# Altium PCB PCB_CAR.PcbDoc (part 2 of 3)
Units mil, origin at the board's own origin, x right, y up, seen from the top; angles counter-clockwise.
Board outline 3935 x 3900 mil, 4 copper layers (Top Layer, GND, PWR, Bottom Layer), stack 23.756 mil thick; 283 components, 268 nets, 1058 pads, 538 vias.
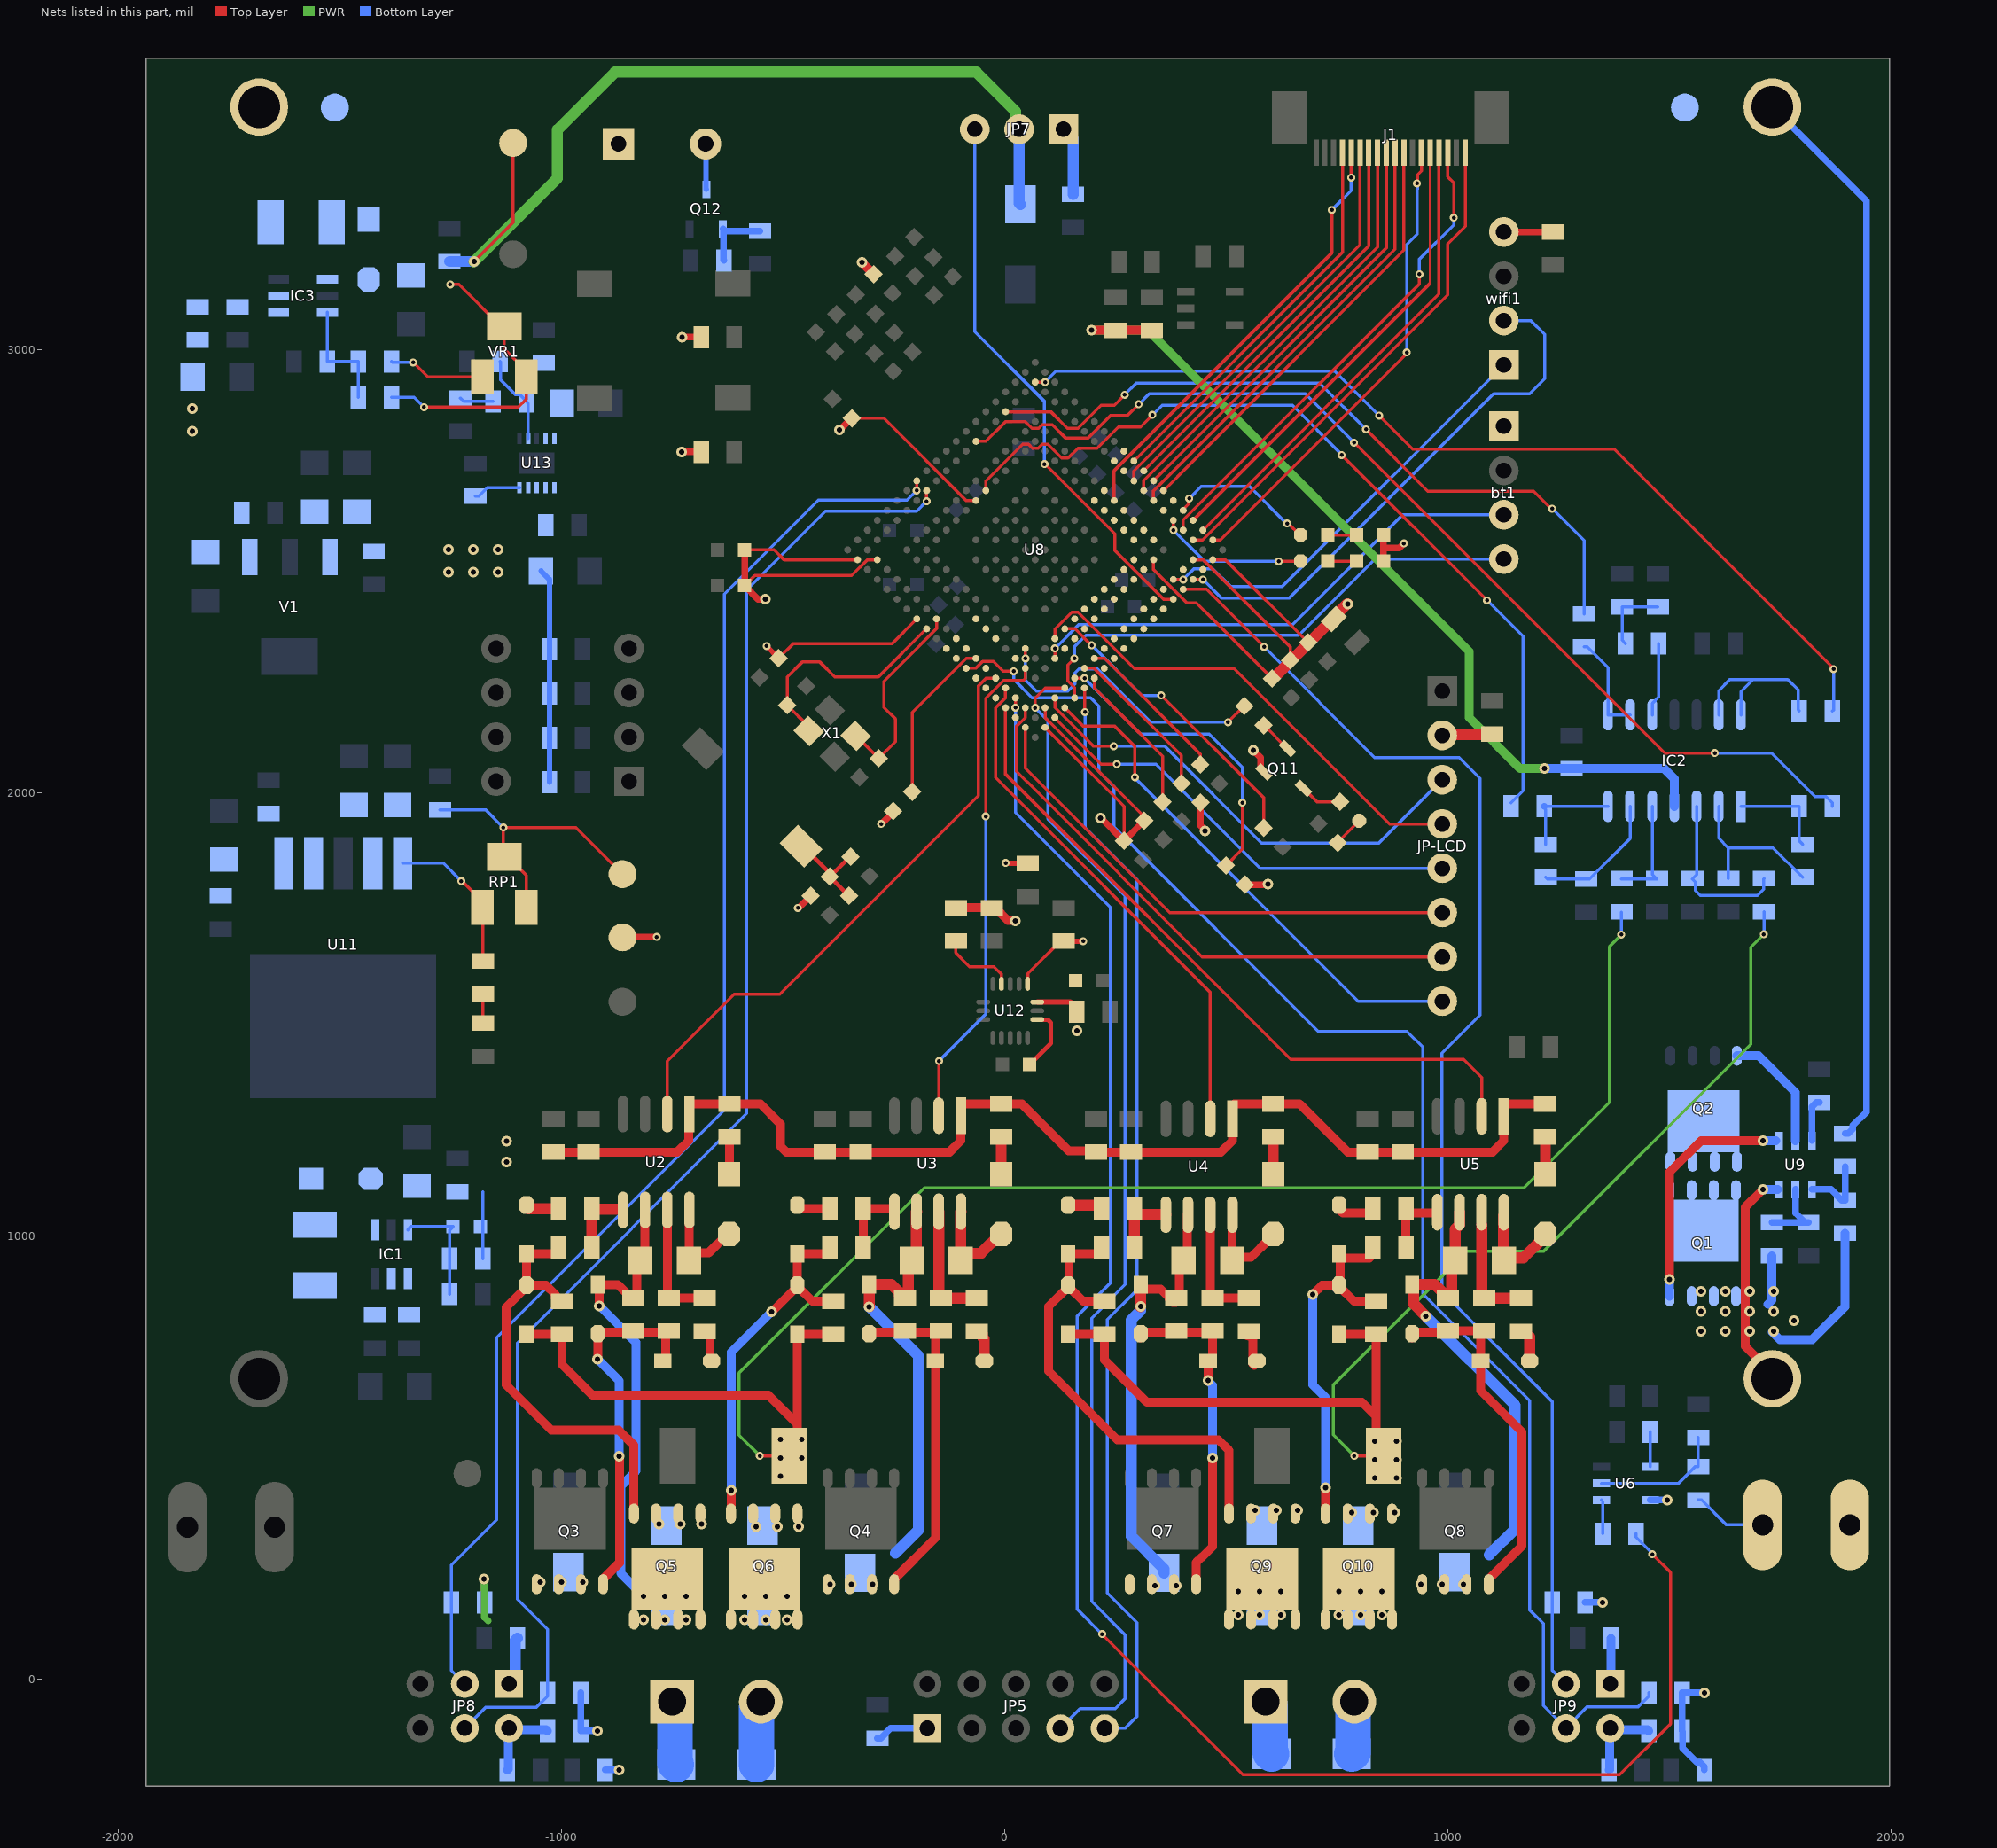
[diagram p4: the nets of this part, all layers, seen from the top]

## Via types
v1: diameter 24, hole 12, Top Layer to Bottom Layer, 381 vias
v2: diameter 18, hole 9, Top Layer to Bottom Layer, 157 vias

## Nets (pads, with @x,y where several pads share a name; then routed paths per layer and width w, separated by ;. In a path a pad name is that pad's centre, name@x,y a point inside that pad or via, vN(x,y) a via of type N, cw(c..) or ccw(c..) an arc to the next point about the centre after c; other vN are vias at no path point) (continued)
3.3V: 3.3V.1 bt1.1 C3V3.2 C4.1 C15.1 C38.2 C39.2 C40.2 C42.1 C45.1 C47.1 C49.1 C53.2 C59.1 C60.2 C61.1 C62.1 C63.1 C64.2 C66.1 C67.1 C77.2 C84.1 C86.2 JP5.1 JP-LCD.2 LB3.2 LB5.2 LS1.1 Q11.2 R4.2 R42.2 R49.2 R52.2 R58.2 R60.2 R61.2 R66.1 R67.1 R68.1 R69.1 R72.1 R73.1 R81.2 R82.2 R83.2 R84.2 R86.2 R87.2 R88.1 U6.5 U8.A2 U8.A19 U8.B3 U8.B18 U8.D5 U8.N20 U8.T11 U8.V19 U8.W20 U12.1 U12.16 U13.1 U13.2 U13.3 U13.4 V1.3 wifi1.4 电机.1 | length 6062.7
  Top Layer w7: C45.1@-587.53,2468 -564.53,2491 -345.75,2491 -310.33,2526.43 U8.V19@-288.05,2526.43 ; C47.1@-587.53,2548.7 -520.77,2548.7 -498.5,2526.43 U8.W20@-332.6,2526.43 ; C49.1@-510.85,2304.09 -478.47,2336.47 -255.3,2336.47 U8.N20@-198.97,2392.8 ; C61.1@-345.44,2845.83 -273.39,2845.83 -87.61,2660.05 U8.T11@-65.34,2660.05 ; U12.1@51.38,1569.34 52.15,1570.11 52.15,1592.66 125.49,1666 C64.2@132.99,1666 ; U8.A19@90.55,2147.82 268.75,1969.62 C59.1@268.75,1892.25 ; U8.B18@90.55,2192.36 90.55,2170.09 112.82,2147.82 164.44,2096.2 314.14,1946.51 C62.1@314.14,1937.33 ; U8.D5@335.54,2526.43 335.54,2504.15 410.66,2429.03 432.18,2429.03 464.72,2396.48 C42.1@602.92,2258.28 ; U8.B3@424.62,2526.43 446.89,2526.43 643.65,2329.66 C60.2@643.65,2299.01 ; U8.A2@469.16,2526.43 497.45,2526.43 C53.2@684.26,2339.62
  Top Layer w12: v2(-537.65,2331.73) -537.65,2331.31 -510.85,2304.51 C49.1@-510.85,2304.09 ; v2(1.56,1841.84) 2.08,1841.32 51.14,1841.32 R87.2@51.66,1840.8 ; U12.16@73.03,1528 147.49,1528 161.99,1513.5 C63.1@161.99,1506 ; C64.2@132.99,1666 133.3,1665.69 176.28,1665.69 v2(176.6,1665.37)
  Top Layer w15: 3.3V.1@-863,1673.98 -862.53,1674.45 -786.51,1674.45 v2(-786.04,1674.92) ; v1(-729.74,2769.87) -686.2,2769.87 R73.1@-685.58,2769.25 ; v1(-729.12,3028.92) R72.1@-685.58,3028.92 ; C47.1@-587.53,2548.7 C45.1@-587.53,2468 -556.87,2437.34 v1@-541.2,2437.34 ; v2(-467.46,1740.59) -466.88,1741.16 -465.07,1741.16 R4.2@-438.44,1767.79 ; v1(-373.44,2819.16) -372.77,2819.16 -346.1,2845.83 C61.1@-345.44,2845.83 ; v2(-279.13,1930.26) -252.36,1957.03 R58.2@-252.36,1959.08 ; v1(215.67,1943.34) 216.66,1943.34 267.76,1892.25 C59.1@268.75,1892.25 268.9,1892.25 313.98,1937.33 C62.1@314.14,1937.33 ; R42.2@441.47,1978.55 441.47,1927.2 451.7,1916.96 v1(451.7,1914.53) ; R52.2@542.08,1793.09 592.51,1793.09 v1(593.66,1794.24) ; v1(560.16,2096.08) 576.84,2079.4 576.84,2056.71 584.5,2049.06 Q11.2@584.5,2047.14 ; R61.2@854.48,2523.37 854.48,2552.84 ; R60.2@854.48,2582.3 854.48,2552.84 ; v2(900.29,2563.32) 889.81,2552.84 854.48,2552.84 ; wifi1.4@1125.92,3266.22 1126.02,3266.31 1236.46,3266.31 C4.1@1236.56,3266.4
  Top Layer w20: R88.1@-111.01,1740.8 R86.2@-29.67,1740.8 -22.17,1740.8 6.54,1712.09 22.51,1712.09 v1(23.28,1711.32)
  Top Layer w25: C42.1@602.92,2258.28 605.26,2258.28 739.66,2392.68 C3V3.2@742.01,2392.68 742.01,2396.01 v1@773,2427 ; JP-LCD.2@987,2130 988.43,2131.43 1098.05,2131.43 C84.1@1099.48,2132.87
  PWR w15: v1(-1175.4,226.03) -1175.4,139.91 -1166.5,131
  Bottom Layer w12: C66.1@-1047.12,2501 -1028.21,2482.09 R68.1@-1028.21,2224.26 R66.1@-1028.21,2024.26
  Bottom Layer w15: v1(-1175.4,226.03) -1175.4,174.18 R81.2@-1174.6,173.38 ; R82.2@-957.43,-31 R82.2@-957.6,-30.82 LB3.2@-957.6,-116.82 v1(-919.3,-116.82) ; C77.2@-902.66,-205.13 v1(-870.85,-205.13) ; R49.2@-288,-133.62 -280.5,-133.62 -257.88,-111 JP5.1@-175,-111 ; R83.2@1309.56,173.38 v1(1348.93,173.38) v1@1349.6,174.05 ; U6.5@1456.21,404.29 v1(1494.45,404.29) ; C86.2@1578.49,-204.49 1578.49,-197.63 1568.49,-187.63 1561.62,-187.63 1529.53,-155.54 1529.53,-118.41 LB5.2@1527.95,-116.82 R84.2@1527.95,-30.82 v1(1578.49,-30.82)
  other v1: 162.75,1463.23 773.38,2426.62 -540.81,2436.96 -1255.95,2498.81 -1200.08,2498.81 -1144.22,2498.81 -1255.95,2549.05 -1200.08,2549.05 -1144.22,2549.05
+5V: 5V.1 C3.2 C10.1 C12.2 C13.2 C14.2 C34.1 C36.2 C37.2 IC2.4 L4.1 LB1.1 LB2.1 RP1.2 RP1.3 U11.4 V1.1 | length 2737.7
  Top Layer w7: RP1.3@-1080.6,1741.41 -1080.6,1814.25 -1121.93,1855.58 RP1.2@-1129.81,1855.58 -1132,1857.78 v2(-1132,1922) -968.05,1922 5V.1@-863,1816.95
  Top Layer w20: v1(-322.62,3197.37) -322.62,3197.11 -296.44,3170.94 LB2.1@-296.44,3170.68 ; v1(195.15,3044.5) C34.1@249.98,3044.5 LB1.1@331.8,3044.5
  PWR w20: v1(195.15,3044.5) 322.5,3044.5 1047.82,2319.18 1047.82,2170.18 1163,2055 v1(1218,2055)
  Bottom Layer w7: C12.2@-1275,1962.2 -1172.2,1962.2 v2(-1132,1922)
  Bottom Layer w20: v1(1218,2055) C3.2@1279,2055 1488,2055 1511,2032 IC2.4@1511,1969.65
  other v1: -1834.13,2816.38 -1834.13,2867.29
+6V: 6-7.4V.1 C5.1 C6.1 C7.1 D1.2 D28.2 JP7.2 VR1.2 VR1.3 | length 2740.7
  Top Layer w7: v2(-1311,2871) -1098.15,2871 -1080.6,2888.55 VR1.3@-1080.6,2939 -1080.6,2952.78 -1129.81,3001.99 VR1.2@-1129.81,3053.17 -1137.68,3053.17 -1232.51,3148 v2(-1252,3148) ; v1(-1198.06,3199.46) -1110,3287.52 6-7.4V.1@-1110,3467
  PWR w25: v1(-1198.06,3199.46) -1010,3387.52 -1010,3497.03 -880.03,3627 -64.47,3627 23.98,3538.55 23.98,3506.02 JP7.2@32,3498
  Bottom Layer w7: C7.1@-1384.6,2893 -1333,2893 v2(-1311,2871)
  Bottom Layer w25: C6.1@-1253.33,3199.57 -1198.18,3199.57 v1(-1198.06,3199.46) ; JP7.2@32,3498 32,3331.55 D28.2@35,3328.55
+15V: C18.2 C19.2 C20.2 C21.2 C24.2 C25.2 C26.2 C27.2 C28.1 C29.1 C30.1 D27.2 R13.1 R14.1 R27.1 R28.1 R43.1 U2.1 U3.1 U4.1 U5.1 | length 2920.3
  Top Layer w20: C18.2@-1019,1189.6 C19.2@-939.61,1189.6 -739.4,1189.6 -713.81,1215.19 -713.81,1273.46 U2.1@-712,1275.27 -712,1296.25 -710.19,1298.06 R13.1@-621.88,1298.06 -551.89,1298.06 -507,1253.18 -507,1203 -493.6,1189.6 C21.2@-407,1189.6 C20.2@-326,1189.6 -124.92,1189.6 -99.33,1215.19 U3.1@-99.33,1271.66 -99.33,1296.25 -97.52,1298.06 38.02,1298.06 143.95,1192.14 203.46,1192.14 C25.2@206,1189.6 C24.2@285,1189.6 487.75,1189.6 513.33,1215.19 U4.1@513.33,1264.66 513.33,1294.19 517.21,1298.06 R27.1@605.37,1298.06 664.94,1298.06 773.4,1189.6 C27.2@819,1189.6 C26.2@897.39,1189.6 1100.53,1189.6 1126,1215.07 U5.1@1126,1270.27 1126,1296.25 1127.81,1298.06 R28.1@1219,1298.06
  Bottom Layer w7: R43.1@-1178.65,949.03 -1178.65,1099.68
  other v1: -1124.43,1167.13 -1124.52,1214.13
ADC_IN1: R62.1 U8.T10 | length 1941.1
  Top Layer w7: U8.T10@-43.07,2682.32 -43.07,2704.07 39.64,2786.78 53.44,2786.78 61.91,2778.3 75.18,2778.3 83.66,2786.78 97.19,2786.78 127.93,2756.03 142.52,2756.03 164.79,2778.31 208.28,2778.31 256.32,2826.35 306.21,2826.35 v2(332.9,2853.03) ; v2(759.69,2762.87) v2(1088,2434.56)
  Bottom Layer w7: v2(332.9,2853.03) 354.87,2875 649,2875 759.69,2764.31 v2(759.69,2762.87) ; v2(1088,2434.56) 1168.96,2353.61 1168.96,2004.46 R62.1@1142,1977.5
ADC_IN2: R74.1 U8.W8 | length 2405.7
  Top Layer w7: U8.W8@-65.34,2793.68 -43.07,2793.68 1.47,2838.22 45.48,2838.22 60.86,2822.85 75.71,2822.85 84.19,2831.32 106.68,2831.32 137.43,2800.58 187.06,2800.58 238.96,2852.47 277.08,2852.47 v2(301.74,2877.13) ; v2(788.11,2790.82) 1488.93,2090 v2(1602,2090)
  Bottom Layer w7: v2(301.74,2877.13) 325.61,2901 677.93,2901 v2(788.11,2790.82) ; v2(1602,2090) 1730.21,2090 1828.71,1991.5 1853.67,1991.5 1867.67,1977.5 R74.1@1867.67,1970
ADC_IN3: R6.1 U8.W5 | length 1675.9
  Top Layer w7: U8.W5@1.47,2860.49 103.55,2860.49 141.2,2822.85 164.79,2822.85 217.27,2875.32 246.79,2875.32 v2@268.55,2897.08 ; v2(814.92,2820.53) 954.46,2681 1193,2681 1195.98,2678.02 1232.35,2641.65 v2(1235.13,2641.65)
  Top Layer w10: v2@268.55,2897.08 v2(270.14,2898.68)
  Bottom Layer w7: v2(270.14,2898.68) 296.47,2925 710.46,2925 v2(814.92,2820.53) ; v2(1235.13,2641.65) 1307,2569.77 R6.1@1307,2404.4
ADC_IN4: R92.1 U8.W2 | length 2187.4
  Top Layer w7: U8.W2@68.28,2927.31 v2(90.55,2927.31) ; v2(844.27,2851.69) 919.97,2776 1375.05,2776 1870.33,2280.72 v2(1870.33,2279.45)
  Bottom Layer w7: v2(90.55,2927.31) 115.03,2951.78 744.19,2951.78 v2(844.27,2851.69) ; R92.1@1867.67,2184.59 1870.33,2187.25 v2(1870.33,2279.45)
ATOM1_CH3_P10_3: JP7.3 U8.A6 | length 1260.1
  Top Layer w7: v2(89.47,2742.05) 91.34,2742.05 248.27,2585.12 248.27,2547.4 358.34,2437.34 U8.A6@380.08,2437.34
  Bottom Layer w7: JP7.3@-68,3498 -68,3041.06 89.47,2883.6 v2(89.47,2742.05)
ATOM1_CH5_P20_9: U3.2 U8.E17 | length 1117
  Top Layer w7: U3.2@-149.33,1271.66 -149.17,1271.82 -149.17,1395.03 v2(-149.02,1395.19) ; v2(-43.08,1947.25) -43.08,2214.1 -2.99,2254.18 41.91,2254.18 46.01,2258.28 U8.E17@46.01,2281.44
  Bottom Layer w7: v2(-149.02,1395.19) -43.08,1501.13 v2(-43.08,1947.25)
ATOM1_CH7_P15_4: JP-LCD.8 U8.A17 | length 1168.1
  Top Layer w7: U8.A17@135.1,2192.36 177.01,2150.45 248.27,2150.45 293.52,2105.2 v2(293.52,2035.8)
  Bottom Layer w7: v2(293.52,2035.8) 293.52,2033.83 797.35,1530 JP-LCD.8@987,1530
ATOM2_CH1_P20_13: U5.2 U8.D20 | length 1595.8
  Top Layer w7: U8.D20@1.47,2192.36 1.47,2066.86 1.47,2042.3 644.76,1399 1035,1399 1076,1358 U5.2@1076,1270.27
ATOM2_CH6_P20_10: U4.2 U8.E19 | length 1182
  Top Layer w7: U8.E19@1.47,2236.9 1.47,2214.63 -20.8,2192.36 -20.8,2034.46 463.33,1550.32 U4.2@463.33,1264.66
ATOM2_CH7_P20_7: U2.2 U8.F19 | length 1364.1
  Top Layer w7: U2.2@-762,1275.27 -762,1395 -611.34,1545.66 -508.12,1545.66 -60.32,1993.47 -60.32,2128.65 -60.32,2241.4 -42.54,2259.17 U8.F19@-20.8,2259.17
BAT_GND: C1.1 C2.1 Q1.1 Q1.2 Q1.3 U9.6 U10.2 | length 983
  Top Layer w20: v1(1710.74,1105.25) 1671,1065.52 1671,830.05 1671,751.22 1732,690.22 U10.2@1732,677.92
  Bottom Layer w20: v1(1710.74,1105.25) U9.6@1743.9,1105.25 ; 1722,846 1731.03,855.03 C1.1@1731.03,955.44 ; v1@1732,783 1749,766 1821.44,766 1896,840.56 C2.1@1896,1006.2
  other v1: 1571.25,784.6 1625.89,784.6 1680.53,784.6 1735.17,784.6 1781,809 1571.25,830.05 1625.89,830.05 1680.53,830.05 1735.17,830.05 1571.25,875.5 1625.89,875.5 1680.53,875.5 1735.17,875.5
GPT12_T2EUDB_P33_6: JP8.4 R82.1 U8.W13 | length 3467.2
  Top Layer w7: v2(-176.7,2658.35) U8.W13@-176.7,2680.62
  Bottom Layer w7: JP8.4@-1219,-110.83 -1172.17,-64 -1058.08,-64 -1032.4,-38.32 R82.1@-1032.4,-30.82 -1032.4,112.15 -1100.6,180.35 -1100.6,758.74 -583,1276.34 -583,2458 -405,2636 -199.05,2636 v2(-176.7,2658.35)
GPT12_T2INB_P33_7: JP8.3 R81.1 U8.Y13 | length 3278.8
  Top Layer w7: v2(-199.06,2682.5) -199.02,2682.54 -199.02,2702.85 U8.Y13@-198.97,2702.9
  Bottom Layer w7: JP8.3@-1219,-10.83 -1249.4,19.57 R81.1@-1249.4,173.38 -1249.4,257.6 -1147.17,359.83 -1147.17,770.61 -633,1284.78 -633,2449 -421.13,2660.87 -220.69,2660.87 v2(-199.06,2682.5)
GPT12_T6EUDA_P20_0: JP9.4 R84.1 U8.H20 | length 3444
  Top Layer w7: U8.H20@-87.61,2281.44 -65.87,2281.44 -50.5,2296.82 -26.03,2296.82 -3.72,2274.51 v2(19.65,2274.51)
  Bottom Layer w7: v2(19.65,2274.51) 19.65,2256.36 61.34,2214.67 193.45,2214.67 212.29,2195.83 212.29,2048.16 246.45,2014 246.45,1922.55 707,1462 907.5,1462 943,1426.5 943,869.92 1184.33,628.59 1184.33,155.9 1215,125.23 1215,-59.83 JP9.4@1266,-110.83 1314.61,-62.22 1429.25,-62.22 1453.14,-38.32 R84.1@1453.14,-30.82
GPT12_T6INB_P10_2: JP9.3 R83.1 U8.A5 | length 3041.8
  Top Layer w7: U8.A5@402.35,2459.61 454.84,2459.61 v2(584.79,2329.66)
  Bottom Layer w7: v2(584.79,2329.66) 834.45,2080 1025,2080 1072,2033 1072,1499 986,1413 986,874.92 1234.76,626.17 R83.1@1234.76,173.38 1234.76,20.41 JP9.3@1266,-10.83
HREF: J1.5 U8.D1 | length 1051.6
  Top Layer w7: U8.D1@424.62,2615.51 959.69,3150.58 J1.5@959.69,3445.47
NetC1_2: C1.2 R2.1 U9.5 | length 173.9
  Bottom Layer w15: C1.2@1731.03,1030.25 R2.1@1813.37,1030.25 1805.87,1030.25 1784.04,1052.09 U9.5@1784.04,1105.25
NetC2_2: C2.2 R9.1 U9.4 | length 160.6
  Bottom Layer w15: U9.4@1821.44,1105.25 1864.25,1105.25 1888.5,1081 C2.2@1896,1081 R9.1@1896,1157
NetC7_2: C7.2 IC3.3 R80.2 R85.1 | length 262.1
  Bottom Layer w7: IC3.3@-1528.88,3084.6 -1528.88,2974.71 R85.1@-1529.6,2974 R80.2@-1459.4,2974 C7.2@-1459.4,2893
NetC8_2: C8.2 C9.2 LB4.2 U11.1 U11.2
NetC11_1: C11.1 IC3.4 IC3.5 L1.2 L4.2
NetC16_1: C16.1 D6.1 D11.2 D13.2 DZ1.1 JP3.1 Q3.1 Q3.2 Q3.3 Q5.5 Q5.6 Q5.7 Q5.8 Q5.9 R17.1 U2.6 | length 1213.2
  Top Layer w20: v1(-915.32,841.83) -916.08,842.59 -916.08,887.2 DZ1.1@-919,890.12 -873.25,890.12 -854,870.87 -854,867.9 -846.5,860.4 R17.1@-839,860.4 ; R17.1@-831.06,867.9 -831.06,936.84 C16.1@-823.12,944.79 -812.69,955.21 -812.69,1058.04 U2.6@-812,1058.73
  Bottom Layer w20: v1(-915.32,841.83) -914.94,841.83 -832.76,759.65 -832.76,469.54 -867.16,435.14 -867.16,238.75 v1(-815.67,187.25)
  Bottom Layer w80: JP3.1@-751,-50.83 -744.86,-56.97 -744.86,-189.69 D11.2@-741.55,-193
  other v1: -815.67,133.76 -767.52,133.76 -719.37,133.76 -767.52,187.25 -719.37,187.25 -1048.63,218.67 -1000.48,218.67 -952.33,218.67
NetC16_2: C16.2 D7.2 U2.8 | length 227.5
  Top Layer w20: C16.2@-712.89,944.78 -712.89,948.28 C16.2@-712.44,948.73 ; U2.8@-712,1058.73 -712.44,1058.29 C16.2@-712.44,948.73 ; D7.2@-622.29,1004.37 -626.44,1004.37 -668.99,961.82 -699.35,961.82 C16.2@-712.44,948.73
NetC17_1: C17.1 D5.1 D11.1 D12.2 DZ2.1 JP3.2 Q4.1 Q4.2 Q4.3 Q6.5 Q6.6 Q6.7 Q6.8 Q6.9 R18.1 U3.6 | length 1131
  Top Layer w25: v1(-306.47,840.33) -306.33,840.47 DZ2.1@-306.33,890.12 -255.72,890.12 -238.5,872.9 -238.5,865.4 -233.5,860.4 R18.1@-226,860.4 R18.1@-218.52,867.89 ; R18.1@-226,865.4 R18.1@-226,872.9 ; R18.1@-218.52,865.4 R18.1@-218.52,867.89 ; U3.6@-199.33,1055.13 -200.02,1054.44 -200.02,954.88 C17.1@-210.12,944.79 -218.52,936.39 R18.1@-218.52,867.89
  Bottom Layer w25: v1@-305.82,839.67 -195,728.85 -195,336.87 -247,284.86
  Bottom Layer w80: D11.1@-560.45,-193 -560.45,-65.26 -551,-55.82 JP3.2@-551,-50.83
  other v1: -588.12,133.76 -539.97,133.76 -491.82,133.76 -588.12,187.25 -539.97,187.25 -491.82,187.25 -394.69,214.08 -346.55,214.08 -298.4,214.08
NetC17_2: C17.2 D8.2 U3.8 | length 225.1
  Top Layer w25: C17.2@-99.89,944.78 -99.89,948.28 C17.2@-99.61,948.56 ; U3.8@-99.33,1055.13 -99.61,1054.85 C17.2@-99.61,948.56 ; D8.2@-8.2,1004.37 -10.87,1004.37 -54.41,960.84 -87.33,960.84 C17.2@-99.61,948.56
NetC22_1: C22.1 D17.1 D22.2 D24.2 DZ5.1 JP4.1 Q7.1 Q7.2 Q7.3 Q9.5 Q9.6 Q9.7 Q9.8 Q9.9 R31.1 U4.6 | length 1105.4
  Top Layer w20: DZ5.1@306.33,880.2 351.39,880.2 370.64,860.96 370.64,857.99 378.14,850.49 R31.1@385.64,850.49 ; R31.1@393.58,857.99 393.58,926.93 411.95,945.3 411.95,1048.13 U4.6@412.64,1048.82
  Top Layer w25: DZ5.1@306.33,890.12 306.33,880.2 306.33,840.96 v1(306.49,840.8)
  Bottom Layer w25: v1(306.49,840.8) 306.49,832.06 285.06,810.62 285.06,322.7 359,248.76 D17.1@359,239.9
  Bottom Layer w80: JP4.1@588.55,-50.83 598.14,-60.42 598.14,-165.69 D22.2@601.45,-169
  other v1: 526.48,144.83 574.63,144.83 622.78,144.83 526.48,198.32 574.63,198.32 622.78,198.32 338.75,210.77 386.9,210.77
NetC22_2: C22.2 D18.2 U4.8 | length 227.5
  Top Layer w20: C22.2@511.76,934.87 511.76,938.37 C22.2@512.2,938.81 ; U4.8@512.64,1048.82 512.2,1048.38 C22.2@512.2,938.81 ; D18.2@602.35,994.45 598.2,994.45 555.65,951.9 525.29,951.9 C22.2@512.2,938.81
NetC23_1: C23.1 D16.1 D22.1 D23.2 DZ6.1 JP4.2 Q8.1 Q8.2 Q8.3 Q10.5 Q10.6 Q10.7 Q10.8 Q10.9 R32.1 U5.6 | length 1154
  Top Layer w25: v1(949.53,819.42) 922.25,846.69 922.25,882.93 919,886.18 DZ6.1@919,890.12 970.28,890.12 987.5,872.9 987.5,865.4 992.5,860.4 1002.97,860.4 1007.97,865.4 1007.97,936.88 C23.1@1015.88,944.79 1015.88,1015.46 1026,1025.58 U5.6@1026,1053.73
  Bottom Layer w25: v1(949.53,819.42) 1151.35,617.59 1151.35,338.93 1093.09,280.67
  Bottom Layer w80: D22.1@782.55,-169 785.55,-166 785.55,-53.83 JP4.2@788.55,-50.83
  other v1: 754.03,144.83 802.18,144.83 850.33,144.83 754.03,198.32 802.18,198.32 850.33,198.32 938.53,213.91 986.68,213.91 1034.83,213.91
NetC23_2: C23.2 D19.2 U5.8 | length 225.1
  Top Layer w25: C23.2@1124.76,934.87 1124.76,938.37 C23.2@1125.03,938.65 ; U5.8@1125.31,1045.21 1125.03,1044.94 C23.2@1125.03,938.65 ; D19.2@1216.44,994.45 1213.77,994.45 1170.24,950.92 1137.31,950.92 C23.2@1125.03,938.65
NetC30_2: C30.2 IC1.3 R43.2 R44.1 | length 260.7
  Bottom Layer w7: IC1.3@-1347.22,1014.09 -1347.22,1014.83 -1340.88,1021.17 C30.2@-1245.43,1021.17 -1253.45,1013.15 R43.2@-1253.45,949.03 R44.1@-1253.46,868.97
NetC32_1: C32.1 IC1.4 IC1.5 L2.2 L3.2
NetC41_1: C41.1 U8.M20 X1.1 | length 529.7
  Top Layer w7: X1.1@-442.56,2139.94 -442.56,2149.27 C41.1@-491.36,2198.08 -491.36,2261.64 -457.55,2295.45 -417.62,2295.45 -383.8,2261.64 -285.59,2261.64 U8.M20@-176.7,2370.53
NetC51_1: C51.1 U8.M19 X1.3 | length 462.6
  Top Layer w7: X1.3@-336.77,2128.8 -335.57,2128.8 C51.1@-285.05,2078.28 -247.33,2116 -247.33,2167.27 -273.09,2193.03 -273.09,2251.87 -228.31,2296.64 -154.43,2370.53 U8.M19@-154.43,2392.8
NetC65_2: C65.2 U12.14 | length 147.7
  Top Layer w10: C65.2@55.58,1387 103.51,1434.93 103.51,1481.43 96.51,1488.43 73.23,1488.43 U12.14@73.03,1488.63
NetC68_1: C68.1 L5.1 U13.9 U13.10
NetC69_1: C69.1 R90.1 U13.7 | length 205.9
  Bottom Layer w7: C69.1@-1139.28,2974.03 -1137.76,2972.51 -1137.76,2931.87 -1104.49,2898.6 -1094.6,2898.6 -1080.6,2884.6 R90.1@-1080.6,2884 -1076,2879.4 U13.7@-1076,2800.14
NetC76_2: C76.2 JP8.2 LB3.1 | length 185
  Bottom Layer w20: C76.2@-1122.86,-205.13 -1120.93,-203.2 -1120.93,-112.76 JP8.2@-1119,-110.83 -1116,-113.83 -1035.4,-113.83 LB3.1@-1032.4,-116.82
NetC85_2: C85.2 JP9.2 LB5.1 | length 184.9
  Bottom Layer w20: C85.2@1363.69,-205.13 1364.84,-203.98 1364.84,-111.99 JP9.2@1366,-110.83 1369,-113.83 1450.15,-113.83 LB5.1@1453.14,-116.82
NetC88_2: C88.2 R4.1 R8.1 RES.2 | length 233
  Top Layer w10: RES.2@-465.23,1888.66 -395.18,1818.61 R4.1@-395.18,1811.05 ; C88.2@-352.05,1767.92 R4.1@-395.18,1811.05 ; R8.1@-348.44,1855.97 -350.25,1855.97 R4.1@-395.18,1811.05
NetD1_1: D1.1 IC3.1 L1.1
NetD7_1: D7.1 R13.2 | length 84.1
  Top Layer w20: D7.1@-622.29,1139.37 -622.08,1139.58 -622.08,1223.05 R13.2@-621.88,1223.26
NetD8_1: D8.1 R14.2 | length 83.9
  Top Layer w24: D8.1@-8.2,1139.37 R14.2@-8.22,1223.23
NetD9_1: D9.1 DZ1.2 Q3.4 R11.2 R17.2 | length 821.7
  Top Layer w20: v1(-919.3,721.89) -919.15,722.03 -919.15,779.73 DZ1.2@-919,779.88 -916.14,782.74 -769.95,782.74 -765.31,778.1 -765.31,723.75 -771.06,718 D9.1@-772.12,718 ; Q3.4@-907,214.25 -907,225.54 -870.12,262.43 -870.12,501.91 v1(-870.85,502.64)
  Bottom Layer w20: v1(-919.3,721.89) -870.85,673.44 v1(-870.85,502.64)
NetD9_2: D9.2 R15.2 | length 76.3
  Top Layer w20: R15.2@-678,784.6 -672.77,784.6 -665.27,777.1 -665.27,721.39 D9.2@-661.88,718
NetD10_1: D10.1 DZ2.2 Q4.4 R12.2 R18.2 | length 772.8
  Top Layer w20: DZ2.2@-306.33,779.88 -303.47,782.74 R12.2@-152.14,782.74 ; Q4.4@-250,214.25 -250,225.54 -156.78,318.76 D10.1@-156.78,718 -156.78,778.1 R12.2@-152.14,782.74 ; R12.2@-144.95,785.6 -149.28,785.6 R12.2@-152.14,782.74
NetD10_2: D10.2 R16.2 | length 78.2
  Top Layer w25: R16.2@-63.9,784.6 -56.4,784.6 -51.4,779.6 -51.4,772.1 -46.55,767.25 D10.2@-46.55,718
NetD12_1: D12.1 D13.1 DZ3.1 DZ4.1 Q5.1 Q5.2 Q5.3 Q6.1 Q6.2 Q6.3 R21.1 R22.1 R57.2 R63.2 | length 4029.1
  Top Layer w7: v2(-553.45,504) R63.2@-487.02,504
  Top Layer w20: DZ3.1@-1079.7,778.88 -1079.3,778.49 -1000.39,778.49 R21.1@-1000,778.1 -1000,709.8 -930.77,640.58 -533.86,640.58 -468.81,575.53 -468.81,522.2 R63.2@-487.02,504 ; -468.46,575.53 DZ4.1@-468.46,778.88 -468.07,778.49 -387.92,778.49 R22.1@-387.53,778.1
  PWR w7: v2(-553.45,504) -600,550.55 -600,691 -182,1109 1171,1109 1364,1302 1364,1653.25 v2(1391.02,1680.26)
  Bottom Layer w7: v2@1391.54,1679.74 R57.2@1391.54,1730.76
  other v1: -561.82,344.42 -513.67,344.42 -465.53,344.42 -780.59,350.03 -732.44,350.03 -684.3,350.03 -507.1,457.81 -507.1,499.31 -458.95,499.31 -507.1,540.8 -458.95,540.8
NetD14_1: D14.1 DZ3.2 Q5.4 R21.2 R24.2 | length 995.7
  Top Layer w20: R24.2@-1007,974 -1007,967.34 -1014.5,959.84 D14.1@-1079.7,959.84 DZ3.2@-1079.7,889.12 ; R21.2@-1000,852.9 -1007.5,852.9 -1015,860.4 -1015,867.9 -1036.22,889.12 DZ3.2@-1079.7,889.12 ; Q5.4@-837.23,373.68 -837.23,527.73 -871.61,562.11 -1023.81,562.11 -1126,664.3 -1126,838.88 -1079.7,885.18 DZ3.2@-1079.7,889.12
NetD14_2: D14.2 R19.2 | length 78
  Top Layer w25: D14.2@-1079.7,1070.07 -1079.7,1066.69 -1075.01,1062 R19.2@-1007,1062
NetD15_1: D15.1 DZ4.2 Q6.4 R22.2 R23.2 | length 827.3
  Top Layer w20: Q6.4@-618.23,373.68 -618,373.9 -618,425.78 v1(-617.78,426) ; v1(-526.78,828.87) -525.78,828.87 -468.46,886.18 D15.1@-468.46,959.84 -402.17,959.84 -394.67,967.34 R23.2@-394.67,974 ; DZ4.2@-468.46,886.66 -434.7,852.9 R22.2@-387.53,852.9
  Bottom Layer w20: v1(-617.78,426) -617.78,737.86 v1(-526.78,828.87)
NetD15_2: D15.2 R20.2 | length 78.3
  Top Layer w20: D15.2@-468.46,1070.07 -468.46,1068.15 -462.31,1062 R20.2@-394.67,1062
NetD18_1: D18.1 R27.2 | length 84.1
  Top Layer w24: R27.2@605.37,1223.26 605.64,1223 605.64,1139.63 D18.1@605.9,1139.37
NetD19_1: D19.1 R28.2 | length 84.3
  Top Layer w24: R28.2@1219,1223.26 1219.5,1222.76 1219.5,1139.87 D19.1@1220,1139.37
NetD20_1: D20.1 DZ5.2 Q7.4 R25.2 R31.2 | length 764.6
  Top Layer w20: DZ5.2@305.49,769.82 DZ5.2@308.5,772.83 ; DZ5.2@306.33,779.88 309.19,782.74 465.74,782.74 R25.2@468.6,785.6 468.6,724.12 458.55,714.06 v1(458.55,674.26) ; Q7.4@431.66,214.25 431.66,263.4 443.38,275.12 444.61,275.12 468.62,299.13 v1(468.62,499.07)
  Bottom Layer w20: v1(458.55,674.26) 458.55,673.18 468.62,663.11 v1(468.62,499.07)
NetD20_2: D20.2 R29.2 | length 76.3
  Top Layer w20: R29.2@546.64,774.69 551.87,774.69 559.37,767.19 559.37,711.48 D20.2@562.76,708.09
NetD21_1: D21.1 DZ6.2 Q8.4 R26.2 R32.2 | length 814.8
  Top Layer w20: DZ6.2@918.31,769.97 DZ6.2@921.17,772.83 ; DZ6.2@919,779.88 921.86,782.74 997.14,782.74 R32.2@1000,785.6 1081.38,785.6 1073.88,778.1 R26.2@1073.88,774.21 ; R26.2@1072.5,772.83 R26.2@1073.88,774.21 ; Q8.4@1092,214.25 1092,225.54 1167,300.54 1167,558 1073.88,651.12 D21.1@1073.88,718 R26.2@1073.88,774.21
NetD21_2: D21.2 R30.2 | length 79.2
  Top Layer w25: R30.2@1164.31,784.6 1171.81,784.6 1184.12,772.29 D21.2@1184.12,718
NetD23_1: D23.1 D24.1 DZ7.1 DZ8.1 Q9.1 Q9.2 Q9.3 Q10.1 Q10.2 Q10.3 R35.1 R36.1 R71.2 R75.2 | length 2988.6
  Top Layer w7: v2(788.55,504) R75.2@854.98,504
  Top Layer w20: DZ7.1@142.77,778.88 143.16,778.49 224.54,778.49 R35.1@224.93,778.1 224.93,720.26 320.16,625.03 805.44,625.03 837.4,593.07 ; DZ8.1@754,778.88 754.39,778.49 837.01,778.49 R36.1@837.4,778.1 837.4,593.07 ; R75.2@854.98,504 837.4,521.58 837.4,593.07
  PWR w7: v2(788.55,504) 741,551.55 741,664 1043,966 1216,966 1683,1433 1683,1651.62 v2(1712.48,1681.1)
  Bottom Layer w7: v2@1713,1680.58 R71.2@1713,1731.6
  other v1: 783.09,375.72 831.24,375.72 879.39,375.72 564.32,381.34 612.47,381.34 660.62,381.34 835.12,453.82 883.26,453.82 835.12,495.31 883.26,495.31 835.12,536.81 883.26,536.81
NetD25_1: D25.1 DZ7.2 Q9.4 R35.2 R37.2 | length 1073.7
  Top Layer w20: DZ7.2@138.9,881.31 98.64,841.05 98.64,695 253.48,540.16 481.78,540.16 505.5,516.44 Q9.4@505.5,373.68 ; DZ7.2@142.77,885.18 DZ7.2@142.77,889.12 ; D25.1@142.77,959.84 210.17,959.84 217.67,967.34 R37.2@217.67,974 ; D25.1@144.94,949.92 144.94,884.49 150.23,879.2 176.53,852.9 R35.2@224.93,852.9
NetD25_2: D25.2 R33.2 | length 80
  Top Layer w25: D25.2@142.77,1070.07 212.67,1070.07 217.67,1065.07 R33.2@217.67,1062
NetD26_1: D26.1 DZ8.2 Q10.4 R36.2 R38.2 | length 829.4
  Top Layer w20: v1(694.73,867.89) 715.95,889.12 DZ8.2@754,889.12 DZ8.2@754,887.2 ; Q10.4@723.64,373.68 723.85,373.88 723.85,431.57 v1(724.05,431.78) ; DZ8.2@748.25,881.45 DZ8.2@754,887.2 ; DZ8.2@754,886.66 787.77,852.9 R36.2@837.4,852.9 ; R38.2@829.97,964.09 829.97,957.42 822.47,949.92 756.18,949.92 756.18,889.12 755.92,889.12 DZ8.2@754,887.2
  Bottom Layer w20: v1(694.73,867.89) 694.73,664.27 724.05,634.95 v1(724.05,431.78)
NetD26_2: D26.2 R34.2 | length 78.3
  Top Layer w20: D26.2@756.18,1060.16 756.18,1058.24 762.33,1052.09 R34.2@829.97,1052.09
NetD27_1: D27.1 IC1.1 L2.1
NetIC2_1: IC2.1 R74.2 R77.1 | length 220.8
  Bottom Layer w7: IC2.1@1661,1969.65 1661.34,1970 R74.2@1792.86,1970 1792.86,1891.66 R77.1@1800.26,1884.26
NetIC2_2: IC2.2 R76.1 R77.2 | length 367.5
  Bottom Layer w7: IC2.2@1611,1969.65 1611,1897.8 1632.64,1876.16 R76.1@1632.64,1806.4 ; 1632.62,1876.18 1733.55,1876.18 R77.2@1800.26,1809.46
NetIC2_3: IC2.3 R70.2 R71.1 | length 385.2
  Bottom Layer w7: IC2.3@1561,1969.65 1561,1815.43 1551.13,1805.56 1558,1798.69 1558,1780 1569.2,1768.8 1698.28,1768.8 1711.98,1782.51 1711.98,1805.38 R71.1@1713,1806.4
NetIC2_5: IC2.5 R51.2 R57.1 | length 248.2
  Bottom Layer w7: R57.1@1391.54,1805.56 1471.33,1805.56 1461,1815.89 IC2.5@1461,1969.65
NetIC2_6: IC2.6 R64.1 R65.2 | length 302.7
  Bottom Layer w7: R65.2@1220.27,1809.46 1224.16,1805.56 R64.1@1311.74,1805.56 1319.24,1805.56 1411,1897.32 IC2.6@1411,1969.65
NetIC2_7: IC2.7 R62.2 R65.1 | length 222.7
  Bottom Layer w7: R62.2@1217.16,1969.65 IC2.7@1361,1969.65 ; R65.1@1220.27,1884.26 R62.2@1220.27,1962.61
  Bottom Layer w15: R62.2@1216.81,1970 R62.2@1217.16,1969.65
NetIC2_8: IC2.8 IC2.9 R6.2 | length 230
  Bottom Layer w7: R6.2@1307,2329.6 1314.5,2329.6 1361,2283.11 IC2.8@1361,2176.34 IC2.9@1411,2176.34
NetIC2_10: IC2.10 R5.1 | length 166.6
  Bottom Layer w7: IC2.10@1461,2176.34 1461,2202.3 1475.4,2216.7 R5.1@1475.4,2337
NetIC2_13: IC2.13 IC2.14 R92.2 | length 393.9
  Bottom Layer w7: IC2.13@1611,2176.34 1611,2231.21 1635.79,2256 1688,2256 ; IC2.14@1661,2176.34 1661,2229 1688,2256 ; R92.2@1792.86,2184.59 1790.01,2187.44 1790.01,2232.73 1766.74,2256 1688,2256
NetJP7_1: JP7.1 L6.2 | length 155.7
  Bottom Layer w10: JP7.1@132,3498 JP7.1@154,3476
  Bottom Layer w25: L6.2@154,3351.4 JP7.1@154,3476
NetJP8_1: JP8.1 L7.2 | length 110.5
  Bottom Layer w25: JP8.1@-1119,-10.83 -1105.6,2.57 -1105.6,87 L7.2@-1100.6,92
NetJP9_1: JP9.1 L8.2 | length 103.4
  Bottom Layer w20: JP9.1@1366,-10.83 1367.4,-9.43 L8.2@1367.4,92
NetLED3_1: LED3.1 Q11.3 | length 94.6
  Top Layer w7: Q11.3@674.08,2010.44 704.27,1980.26 LED3.1@756.17,1980.26
NetLED3_2: LED3.2 R3.2 | length 69.6
  Top Layer w7: R3.2@750.87,1887.47 750.87,1888.44 LED3.2@799.43,1937
NetLED6_1: LED6.1 R60.1 | length 65
  Top Layer w7: LED6.1@728.48,2582.68 728.86,2582.3 R60.1@793.3,2582.3
NetLED7_1: LED7.1 R61.1 | length 65
  Top Layer w7: LED7.1@728.48,2523.75 728.86,2523.37 R61.1@793.3,2523.37
NetLS1_2: LS1.2 Q12.3 | length 103.4
  Bottom Layer w12: LS1.2@-675.57,3465 -674.79,3464.21 -674.79,3363.08 Q12.3@-674,3362.29
NetQ1_4: Q1.4 U9.1 | length 548.7
  Top Layer w20: v1(1500.04,902) 1500.04,1144.04 1571.25,1215.25 v1(1710.74,1215.25)
  Bottom Layer w20: Q1.4@1500.04,864.25 v1(1500.04,902) ; v1(1710.74,1215.25) U9.1@1739.45,1215.25
NetQ1_5: Q1.5 Q1.6 Q1.7 Q1.8 Q1.9 Q2.5 Q2.6 Q2.7 Q2.8 Q2.9
NetQ2_4: Q2.4 U9.2 | length 275.1
  Bottom Layer w20: Q2.4@1652,1407 1701,1407 1784.04,1323.96 U9.2@1784.04,1215.25
NetQ11_1: Q11.1 R39.1 | length 75.4
  Top Layer w7: R39.1@583.8,2152.63 584.79,2152.63 Q11.1@637.39,2100.03
NetQ12_1: Q12.1 R78.1 R79.1 | length 154.6
  Bottom Layer w15: Q12.1@-636.6,3273 -635.6,3272 Q12.1@-635.6,3268.76 ; R79.1@-634.6,3202 -635.6,3203 Q12.1@-635.6,3268.76 ; R78.1@-553,3268.4 -635.24,3268.4 Q12.1@-635.6,3268.76
NetR1_2: R1.2 R5.2 R7.1 | length 166.2
  Bottom Layer w7: R5.2@1400.6,2337 1393,2344.6 R7.1@1393,2419.59 R1.2@1473.4,2419.6
NetR9_2: R9.2 TPC2.1 U10.1 | length 2428.3
  Bottom Layer w15: U10.1@1732,3548 1944,3336 1944,1279.8 1913.5,1249.3 1913.5,1241.8 1903.5,1231.8 R9.2@1896,1231.8
NetR10_1: R10.1 U9.3 | length 97.7
  Bottom Layer w15: U9.3@1821.44,1215.25 1821.44,1291.96 1831.44,1301.96 R10.1@1838.34,1301.96
NetR11_1: R11.1 R15.1 U2.7 | length 280.7
  Top Layer w20: U2.7@-762,1058.73 -761.31,1058.04 -761.31,863.21 R11.1@-758.5,860.4 -758,859.9 -678.5,859.9 R15.1@-678,859.4
NetR12_1: R12.1 R16.1 U3.7 | length 278
  Top Layer w25: U3.7@-149.33,1055.13 -148.64,1054.44 -148.64,864.1 R12.1@-144.95,860.4 -144.45,859.9 -64.4,859.9 R16.1@-63.9,859.4
NetR19_1: R19.1 R24.1 U2.5 | length 160.1
  Top Layer w25: R24.1@-932.2,974 R19.1@-932.2,1062 -930.56,1060.37 -862.69,1060.37 -862,1059.68 U2.5@-862,1058.73
NetR20_1: R20.1 R23.1 U3.5 | length 164.4
  Top Layer w20: R23.1@-319.86,974 R20.1@-319.86,1062 -251.01,1062 -249.33,1060.33 U3.5@-249.33,1055.13
NetR25_1: R25.1 R29.1 U4.7 | length 285.6
  Top Layer w20: U4.7@462.64,1048.82 U4.7@463.33,1048.13 463.33,853.3 469.94,859.9 549.71,859.9 R29.1@550.21,859.4
NetR26_1: R26.1 R30.1 U5.7 | length 250.8
  Top Layer w25: U5.7@1075.88,1024.89 1075.88,864.74 1081.22,859.4 R30.1@1164.31,859.4
NetR33_1: R33.1 R37.1 U4.5 | length 172.8
  Top Layer w25: R37.1@292.44,964.09 292.44,1052.09 294.08,1050.45 R33.1@296.52,1050.45 ; R33.1@292.47,1062 292.47,1054.5 R33.1@296.52,1050.45 ; U4.5@362.64,1048.82 305.65,1048.82 304.97,1049.5 297.47,1049.5 R33.1@296.52,1050.45
NetR34_1: R34.1 R38.1 U5.5 | length 164.4
  Top Layer w20: R38.1@904.78,964.09 904.78,1052.09 973.63,1052.09 975.31,1050.42 U5.5@975.31,1045.21
NetR39_2: R39.2 U8.F16 | length 676.3
  Top Layer w7: v2(46.01,2303.72) U8.F16@46.01,2325.99 ; v2(503.44,2159.82) 539.51,2195.89 R39.2@540.53,2195.89
  Bottom Layer w7: v2(46.01,2303.72) 46.01,2254.7 70.71,2230 142.36,2230 158.09,2245.74 158.09,2271.22 166.71,2279.83 209.17,2279.83 329.18,2159.82 v2(503.44,2159.82)
NetR45_1: R45.1 U6.1 | length 77.8
  Bottom Layer w7: U6.1@1345.97,404.29 1349.6,400.66 R45.1@1349.6,328
NetR46_1: R46.1 U6.4 | length 79.3
  Bottom Layer w7: U6.4@1456.21,479.09 1456.21,558.12 R46.1@1456.37,558.29
NetR48_1: R48.1 R59.1 U6.2 | length 300.8
  Bottom Layer w7: U6.2@1345.97,441.69 1519.85,441.69 1557.25,479.1 R48.1@1564.75,479.1 R59.1@1564.75,545.6
NetR48_2: R48.2 电机.2 | length 168.6
  Bottom Layer w7: R48.2@1564.75,404.29 1572.25,404.29 1628.55,348 电机.2@1710,348
NetR80_1: R80.1 VR1.1 | length 220.1
  Top Layer w7: v2(-1335.42,2971.84) -1319.66,2956.07 -1302.58,2939 VR1.1@-1179.02,2939
  Bottom Layer w7: R80.1@-1384.6,2974 -1382.44,2971.84 v2(-1335.42,2971.84)
NetR88_2: R88.2 U12.4 | length 171.5
  Top Layer w7: R88.2@-111.01,1666 -111.01,1639.28 -79.73,1608 -25,1608 -8.45,1591.45 -8.45,1570.11 U12.4@-7.68,1569.34
NetR89_1: R89.1 U13.5 | length 107.4
  Bottom Layer w7: R89.1@-1195,2669.6 -1187.5,2669.6 -1168.1,2689 U13.5@-1095.68,2689
NetR90_2: R90.2 R91.1 | length 76.7
  Bottom Layer w7: R91.1@-1229,2891.4 -1221.59,2884 R90.2@-1155.4,2884
NetRP1_1: RP1.1 RSH1.1 U11.5 | length 351.5
  Top Layer w7: v2(-1226.79,1800.99) -1224.81,1800.99 -1179.02,1755.19 RP1.1@-1179.02,1741.41 -1178.18,1740.58 RSH1.1@-1178.18,1620.47
  Bottom Layer w7: U11.5@-1359.61,1841.61 -1267.41,1841.61 v2(-1226.79,1800.99)
NetRSH1_2: RSH1.2 RSH2.1 | length 65.2
  Top Layer w7: RSH2.1@-1178.18,1480.47 RSH1.2@-1178.18,1545.66
NetTPC1_1: TPC1.1 U1.2
P00_0: J1.8 U8.G1 | length 987.9
  Top Layer w7: U8.G1@357.81,2682.32 420.56,2745.07 900.29,3224.81 J1.8@900.29,3445.47
P00_1: J1.9 U8.G2 | length 1011.1
  Top Layer w7: U8.G2@335.54,2660.05 335.54,2682.32 880.49,3227.28 J1.9@880.49,3445.47
P00_2: J1.10 U8.H1 | length 958.4
  Top Layer w7: U8.H1@335.54,2704.59 398.28,2767.34 860.69,3229.75 J1.10@860.69,3445.47
P00_3: J1.11 U8.H2 | length 981.7
  Top Layer w7: U8.H2@313.26,2682.32 313.26,2704.59 840.89,3232.22 J1.11@840.89,3445.47
P00_4: J1.12 U8.J1 | length 929
  Top Layer w7: U8.J1@313.26,2726.87 376.01,2789.61 821.09,3234.7 J1.12@821.09,3445.47
P00_5: J1.13 U8.J2 | length 952.2
  Top Layer w7: U8.J2@290.99,2704.59 290.99,2726.87 801.29,3237.17 J1.13@801.29,3445.47
P00_6: J1.14 U8.J4 | length 1007
  Top Layer w7: U8.J4@246.45,2660.05 246.45,2727.39 737.69,3218.63 v2(737.69,3315.66) ; v2(781.31,3388.98) 781.4,3389.07 781.4,3445.38 J1.14@781.49,3445.47
  Bottom Layer w7: v2(737.69,3315.66) 781.31,3359.28 v2(781.31,3388.98)
P00_7: J1.15 U8.K1 | length 891.3
  Top Layer w7: U8.K1@290.99,2749.14 761.69,3219.84 J1.15@761.69,3445.47
P00_8: U8.K4
P00_9: U8.K2
P00_10: U8.K5
P00_11: U8.L1
P00_12: U8.L2
P01_3: U8.G5
P01_4: U8.G4
P01_5: U8.H5
P01_6: U8.H4
P01_7: U8.J5
P02_0: J1.6 U8.B1 | length 1079
  Top Layer w7: U8.B1@469.16,2570.97 485.97,2570.97 v2@908.06,2993.06 ; v2(929.95,3375.77) 931.31,3377.13 931.31,3395.27 939.89,3403.86 J1.6@939.89,3445.47
  Bottom Layer w7: v2(907,2994.12) 907,3238.42 929.95,3261.37 929.95,3362.97 ; v2(929.95,3375.77) 930.72,3375 930.72,3362.97
P02_1: J1.1 U8.C2 | length 1141.7
  Top Layer w7: U8.C2@424.62,2570.97 446.36,2570.97 999.29,3123.9 999.29,3239.4 1038.89,3279 J1.1@1038.89,3445.47
P02_2: J1.4 U8.C1 | length 1072.8
  Top Layer w7: U8.C1@446.89,2593.24 979.49,3125.84 J1.4@979.49,3445.47
P02_3: J1.3 U8.D2 | length 1110.8
  Top Layer w7: U8.D2@402.35,2593.24 402.35,2616.04 475.97,2689.66 935.57,3149.26 v2(935.57,3170.63) ; J1.3@999.29,3445.47 999.29,3390.71 1012.94,3377.06 v2(1012.94,3298.57)
  Bottom Layer w7: v2(935.57,3170.63) 935.57,3204.72 1012.94,3282.08 v2(1012.94,3298.57)
P02_5: LED7.2 U8.E2 | length 339.3
  Top Layer w7: v2(380.08,2593.24) U8.E2@380.08,2615.51 ; v2(617.85,2522.54) 618.46,2523.15 666.69,2523.15 LED7.2@667.3,2523.75
  Bottom Layer w7: v2(380.08,2593.24) 450.78,2522.54 v2(617.85,2522.54)
P02_6: LED6.2 U8.E1 | length 340
  Top Layer w7: U8.E1@402.35,2637.78 402.35,2640.15 413.96,2651.76 413.96,2662.46 v2(416.07,2664.57) ; v2(636.69,2608.38) 639.15,2608.38 664.84,2582.68 LED6.2@667.3,2582.68
  Bottom Layer w7: v2(416.07,2664.57) 443.1,2691.59 474.03,2691.59 552,2691.59 635.22,2608.38 v2(636.69,2608.38)
P02_7: U8.F2
P02_8: U8.F1
P02_9: U8.E4
P02_10: U8.F5
P02_11: U8.F4
P10_0: U8.A7
P10_1: U8.B7
P10_4: U8.B6
P10_5: U8.B5 wifi1.1 | length 979.3
  Top Layer w7: U8.B5@380.08,2481.88 v2(402.35,2481.88)
  Bottom Layer w7: v2(402.35,2481.88) 426.46,2506 469.16,2506 508.77,2466.39 534.63,2466.39 626.1,2466.39 wifi1.1@1125.92,2966.22
P10_6: U8.A4 wifi1.2 | length 1220.5
  Top Layer w7: U8.A4@424.62,2481.88 v2(446.89,2481.88)
  Bottom Layer w7: v2(446.89,2481.88) 488.44,2440.33 508.57,2440.33 642.17,2440.33 1102.83,2901 1184,2901 1218,2935 1218,3035 1186.78,3066.22 wifi1.2@1125.92,3066.22
P10_7: U8.A3
P10_8: U8.B4
P11_0: U8.E10
P11_1: U8.E9
P11_2: U8.A10
P11_3: U8.B10
P11_4: U8.D10
P11_5: U8.D8
P11_6: U8.D9
P11_7: U8.E8
P11_8: U8.E7
P11_9: U8.A9
P11_10: U8.B9
P11_11: U8.A8
P11_12: U8.B8
P11_13: U8.E6
P11_14: U8.D7
P11_15: U8.D6
P12_0: U8.E12
P12_1: U8.E11
P13_0: U8.B12
P13_1: U8.A12
P13_2: U8.B11
P13_3: U8.A11
P14_0: JP5.7 U8.B16 | length 2654.9
  Top Layer w7: v2(68.28,2192.36) 68.28,2214.1 91.09,2236.9 112.82,2236.9 U8.B16@135.1,2236.9
  Bottom Layer w7: v2(68.28,2192.36) 97.28,2163.36 97.28,1941.37 271.23,1767.43 271.23,890.3 195.84,814.91 195.84,175.41 271.23,100.02 271.23,-44.17 249.02,-66.37 169.63,-66.37 JP5.7@125,-111
P14_1: JP5.9 U8.A15 | length 2509.1
  Top Layer w7: U8.A15@179.64,2236.9 180.2,2236.34 180.2,2182.93 v2(180.76,2182.36)
  Bottom Layer w7: v2(180.76,2182.36) 180.76,1921.7 297.82,1804.65 297.82,878.13 231.25,811.56 231.25,194.11 297.82,127.55 297.82,-84.18 271,-111 JP5.9@225,-111
P14_2: R41.1 U8.E13 | length 674.8
  Top Layer w7: U8.E13@135.1,2370.53 157.9,2370.53 195.15,2333.28 v2(195.94,2333.28) ; v2(353.05,2220.22) 583.67,1989.6 R41.1@583.67,1921.2
  Bottom Layer w7: v2(195.94,2333.28) 308.99,2220.22 v2(353.05,2220.22)
P14_3: R42.1 U8.B14 | length 362.9
  Top Layer w7: U8.B14@179.64,2281.44 201.38,2281.44 398.21,2084.62 R42.1@398.21,2021.81
P14_4: R52.1 U8.B15 | length 700
  Top Layer w7: U8.B15@157.37,2259.17 v2(179.64,2259.17) ; R52.1@498.82,1836.35 536,1873.53 v2(536,1977.99)
  Bottom Layer w7: v2(179.64,2259.17) 305.7,2133.11 460.89,2133.11 536,2058 v2(536,1977.99) v2@536,1977
P14_5: R40.1 U8.A14 | length 343.5
  Top Layer w7: U8.A14@201.91,2259.17 201.91,2236.9 253.52,2185.29 355.78,2083.03 R40.1@355.78,1979.38
P14_6: R50.1 U8.B13 | length 351.7
  Top Layer w7: U8.B13@201.91,2303.71 224.71,2303.71 440.63,2087.79 R50.1@440.63,2064.23
P14_7: U8.D13
P14_8: U8.A13
P14_9: U8.D12
P14_10: U8.D11
P15_0: JP-LCD.6 U8.B20 | length 1167.8
  Top Layer w7: U8.B20@46.01,2147.82 46.01,2125.55 46.01,2056 85.12,2016.89 372.01,1730 JP-LCD.6@987,1730
P15_1: JP-LCD.5 U8.A18 | length 1016.1
  Top Layer w7: U8.A18@112.82,2170.09 112.82,2169.03 175.04,2106.81 217.27,2064.58 251.76,2064.58 v2(252.31,2065.13)
  Bottom Layer w7: v2(252.31,2065.13) 340.87,2065.13 576,1830 JP-LCD.5@987,1830
P15_2: JP-LCD.7 U8.C19 | length 1285.7
  Top Layer w7: U8.C19@46.01,2192.36 46.01,2170.09 26.37,2150.45 26.37,2049.03 71.82,2003.58 445.4,1630 JP-LCD.7@987,1630
P15_3: JP-LCD.3 U8.B17 | length 1081.8
  Top Layer w7: U8.B17@112.82,2214.63 112.82,2192.63 186.85,2118.61 199.99,2105.47 v2(245.88,2105.47)
  Bottom Layer w7: v2(245.88,2105.47) 360.52,2105.48 579,1887 843.75,1887 JP-LCD.3@986.76,2030
P15_5: JP-LCD.4 U8.E14 | length 1109.8
  Top Layer w7: U8.E14@112.82,2348.26 112.82,2370 151,2408.17 164.79,2408.17 292.05,2280.91 355.78,2280.91 517.12,2280.92 868.03,1930 JP-LCD.4@987,1930
P15_6: bt1.4 U8.A16 | length 1179.2
  Top Layer w7: v2(156.97,2303.72) 141.99,2288.74 141.99,2252.8 157.23,2237.56 U8.A16@157.23,2214.76 ; U8.A16@157.37,2214.63 U8.A16@157.63,2214.37
  Bottom Layer w7: v2(156.97,2303.72) 156.97,2330.3 182.67,2356 424.23,2356 663,2356 834.82,2527.82 bt1.4@1125.92,2527.82
P15_7: bt1.3 U8.D15 | length 1160.4
  Top Layer w7: U8.D15@112.82,2303.71 v2(112.82,2325.99)
  Bottom Layer w7: v2(112.82,2325.99) 166.46,2379.62 447.86,2379.62 649.44,2379.62 897.63,2627.82 bt1.3@1125.92,2627.82
P15_8: U8.D14
P20_1: U8.G19
P20_2: R58.1 U8.H19 | length 373.7
  Top Layer w7: R58.1@-209.1,2002.34 -209.1,2181.7 -87.09,2303.71 U8.H19@-65.34,2303.71
P20_3: U8.G20
P20_6: U8.F17
P20_8: U8.F20
P20_11: U8.E20
P20_12: R45.2 U8.D19 | length 4177.4
  Top Layer w7: U8.D19@23.74,2212.93 23.78,2212.89 23.78,2192.71 v2(23.83,2192.67) ; v2(219.27,101.7) 537,-216 1387,-216 1502,-101 1502,240.89 v2(1461.11,281.78)
  Bottom Layer w7: v2(23.83,2192.67) 23.83,1955.89 238,1741.72 238,893.98 163.13,819.11 163.13,157.84 v2(219.27,101.7) ; R45.2@1424.4,328 1424.4,320.5 1461.11,283.79 v2(1461.11,281.78)
P20_14: U8.C20
P21_0: U8.K17
P21_1: U8.J17
P21_2: U8.K19
P21_3: U8.J19
P21_4: U8.K20
P21_5: U8.J20
P21_6: U8.H17